# Altium PCB ssmaster.PcbDoc (part 1 of 3)
Units mil, origin at the board's own origin, x right, y up, seen from the top; angles counter-clockwise.
Board outline 3937.01 x 2755.91 mil, 4 copper layers (Top Layer, Ground Plane 1, Mid-Layer 1, Bottom Layer); 130 components, 268 nets, 1033 pads, 451 vias.
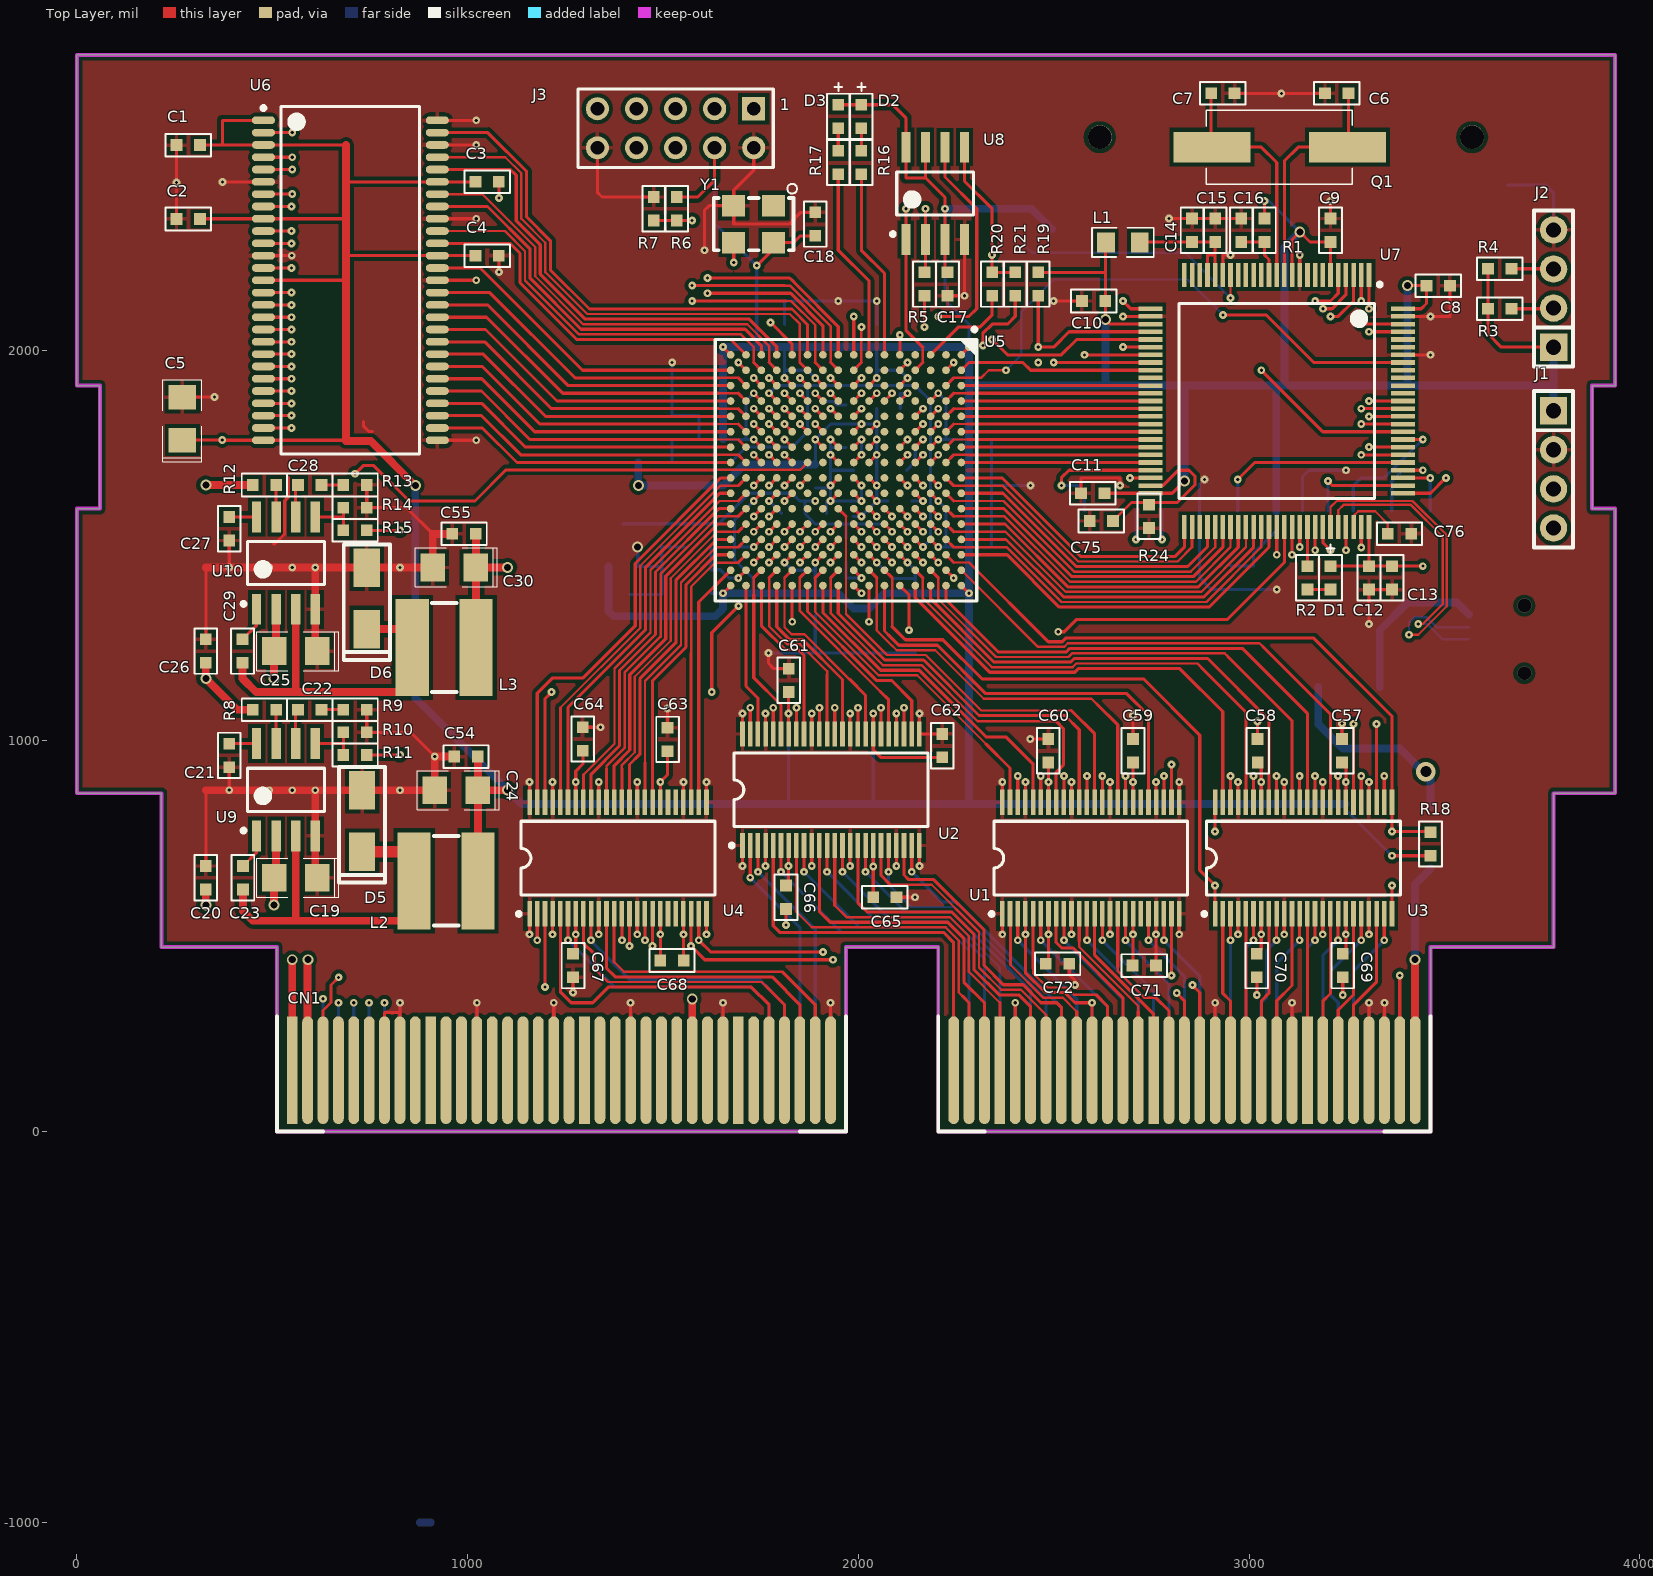
[diagram p0: Top Layer view]
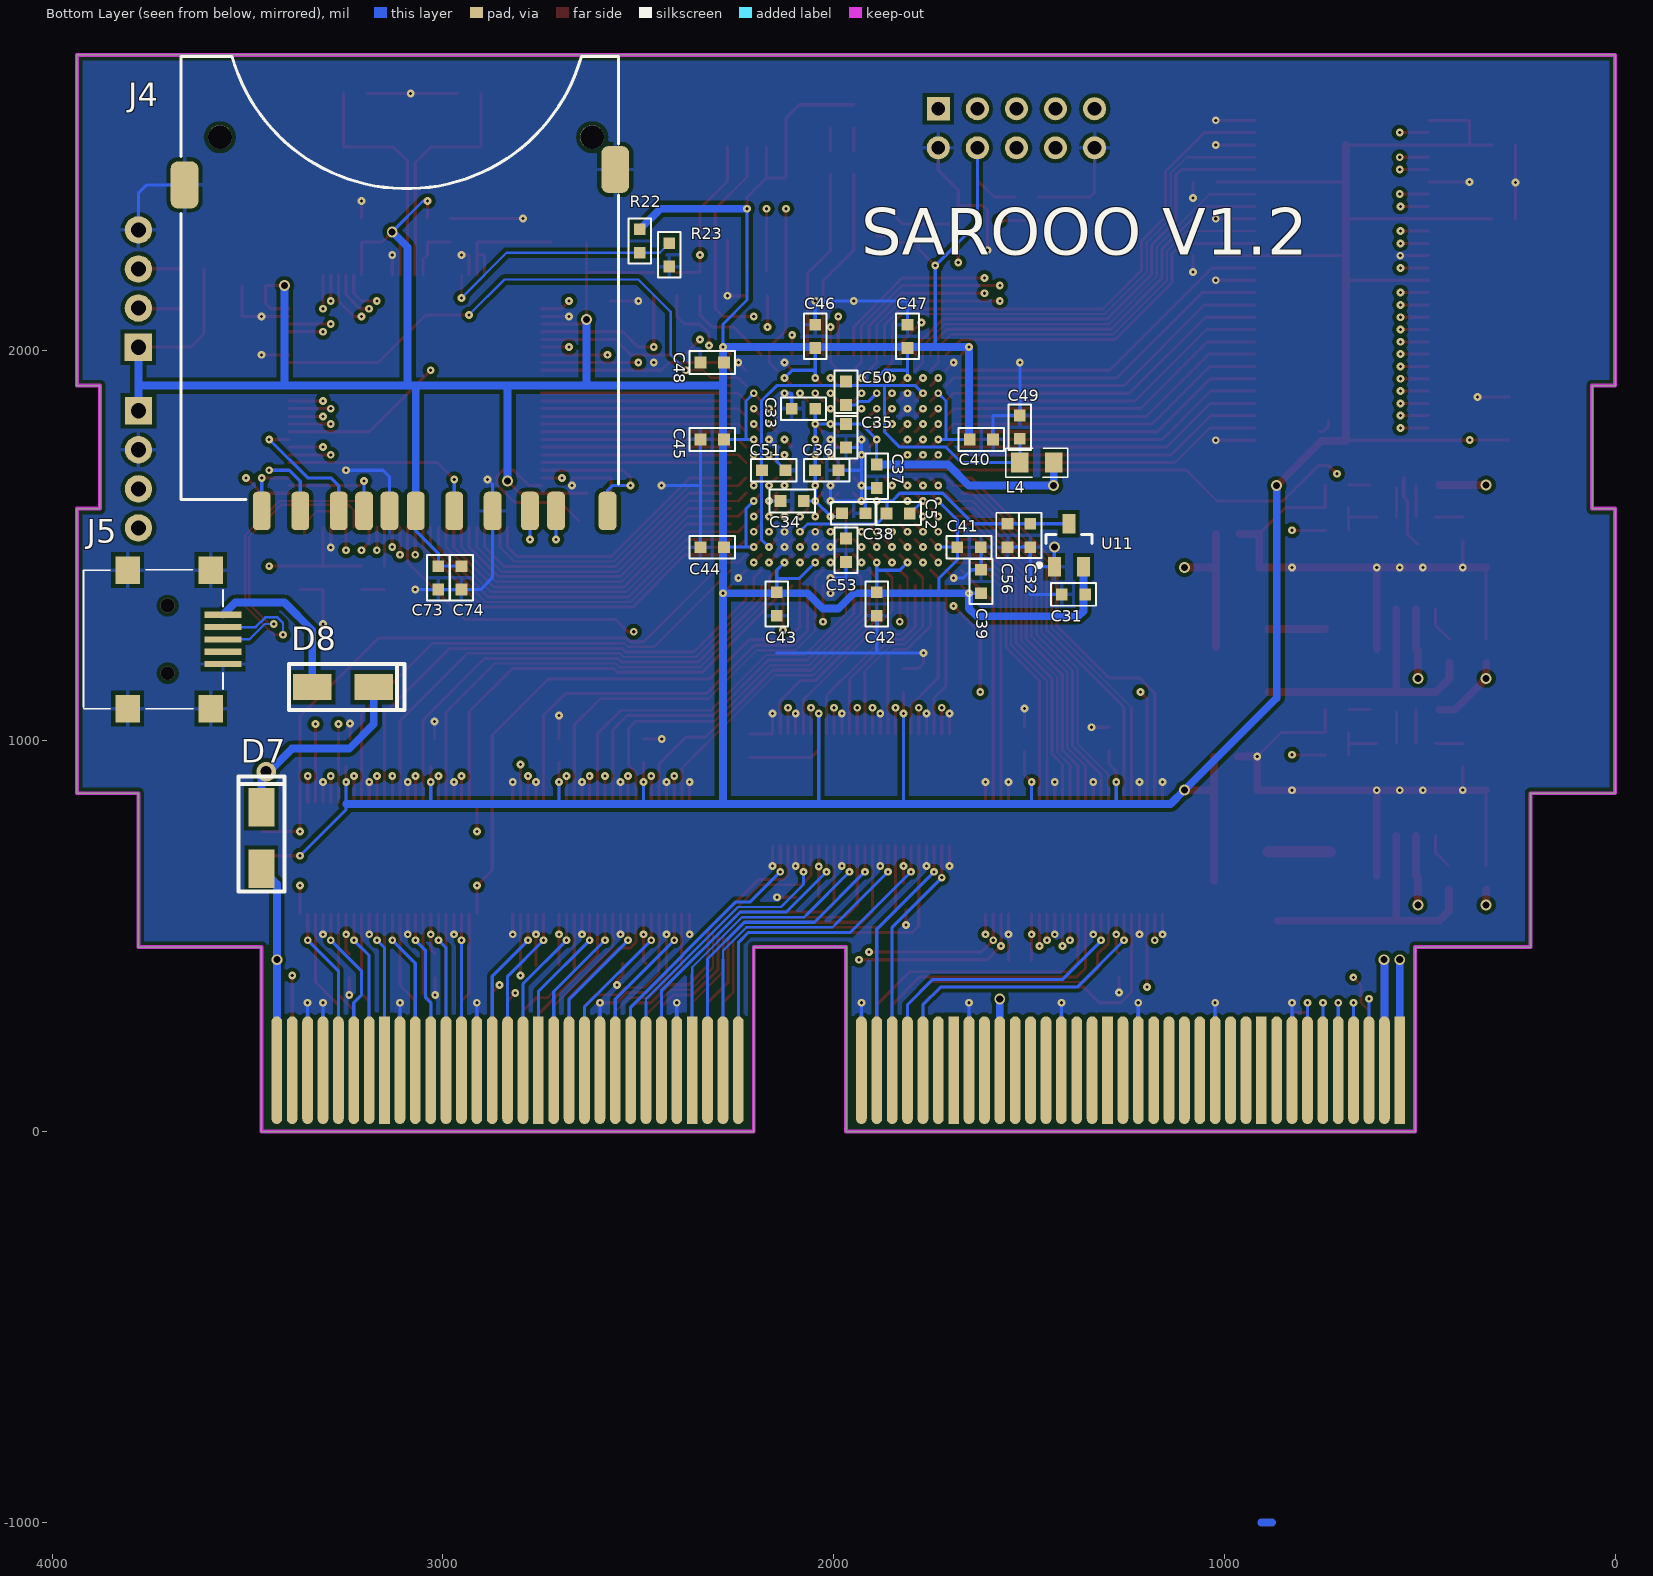
[diagram p1: Bottom Layer view, seen from below]
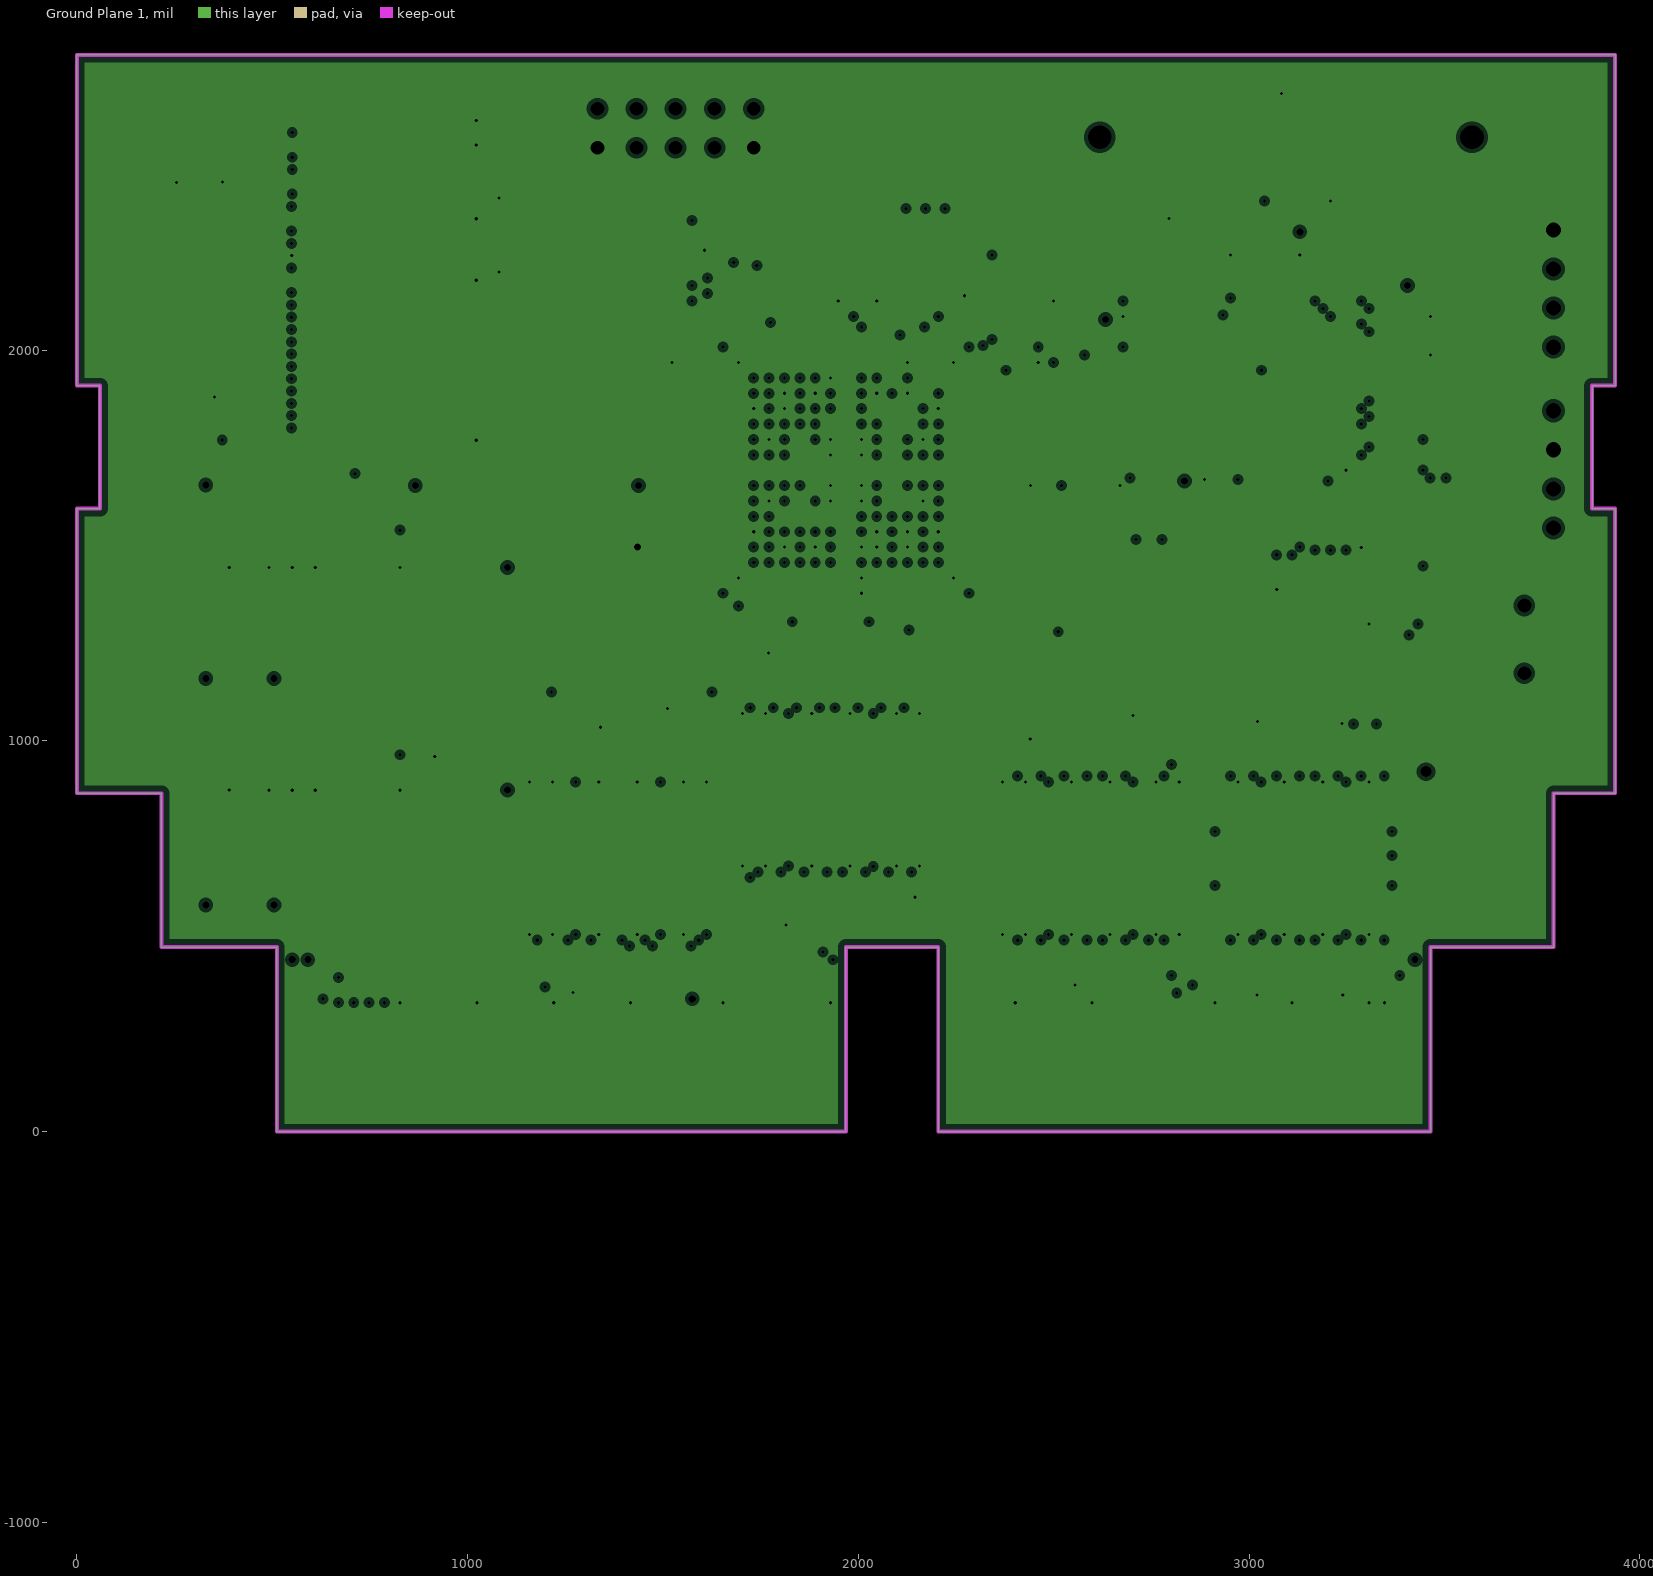
[diagram p2: Ground Plane 1, clearances drawn from the general rule]
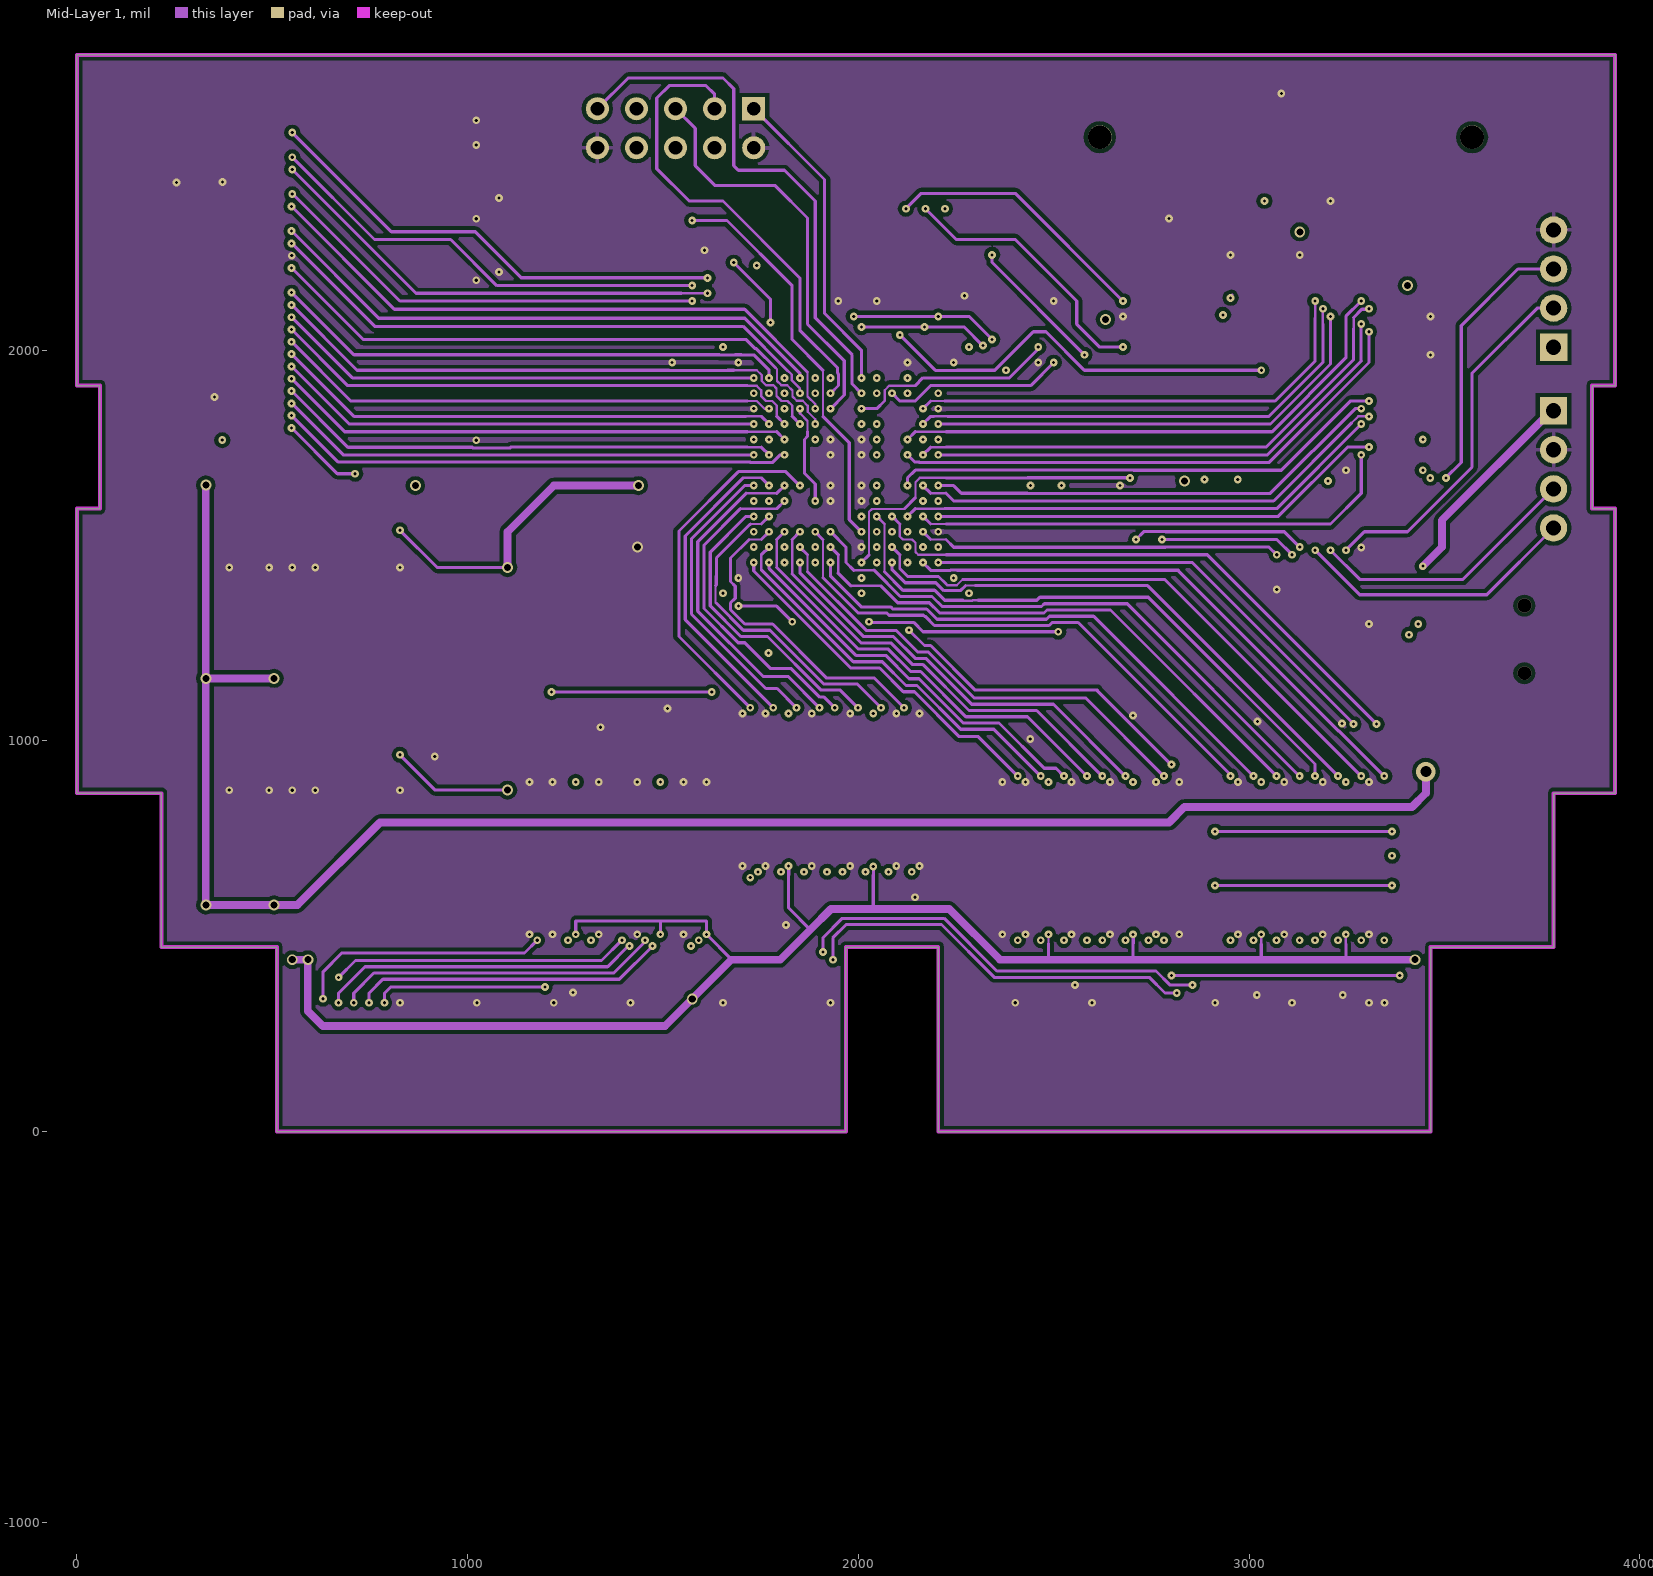
[diagram p3: Mid-Layer 1]

## Layer stack, top to bottom
Top Solder: solder mask 0.4, Solder Resist, Dk 3.5
Top Layer: signal copper 1.4
Dielectric1: core 12.6, FR-4, Dk 4.8
Ground Plane 1: plane copper 1.4, net GND
Dielectric3: prepreg 12.6, FR-4, Dk 4.8
Mid-Layer 1: signal copper 1.4
Dielectric2: core 12.6, FR-4, Dk 4.8
Bottom Layer: signal copper 1.4
Bottom Solder: solder mask 0.4, Solder Resist, Dk 3.5

## Board outline
0,866.14 216.54,866.14 216.54,472.44 511.81,472.44 511.81,0 1968.5,0 1968.5,472.44 2204.72,472.44 2204.72,0 3464.57,0 3464.57,472.44 3779.53,472.44 3779.53,866.14 3937.01,866.14 3937.01,1594.49 3877.95,1594.49 3877.95,1909.45 3937.01,1909.45 3937.01,2755.91 0,2755.91 0,1909.45 59.06,1909.45 59.06,1594.49 0,1594.49 0,866.14

## Design rules (kind name [scope] priority, off if disabled: settings)
AssemblyTestPointUsage [All] p1: valid=2
Clearance Clearance_6 [InNamedPolygon('mgnd')] p1: gap=10
Clearance Clearance_5 [InNamedPolygon('bgnd')] p2: gap=10
Clearance Clearance_4 [InNamedPolygon('tgnd')] p3: gap=10
Clearance [OnLayer('Top Layer')] p4: gap=4
Clearance Clearance_2 [OnLayer('Ground Plane 1')] p5: gap=6
Clearance Clearance_3 [OnLayer('Mid-Layer 1')] p6: gap=6
Clearance Clearance_1 [OnLayer('Bottom Layer')] p7: gap=4
ComponentClearance [All] p1: gap=0 collisioncheckmode=3 verticalgap=0 showdistances=FALSE
FabricationTestPointUsage [All] p1: valid=2 allowmultiple=FALSE
MinimumSolderMaskSliver [All] p1: minsoldermaskwidth=1
PlaneClearance [All] p1: clearance=10
PlaneConnect [All] p1: planeconnectstyle=Direct reliefexpansion=20 reliefentries=4 reliefconductorwidth=10 reliefairgap=10
PolygonConnect PolygonConnect_via [IsVia] p1: connectstyle=Direct reliefconductorwidth=10 reliefentries=4 polygonreliefangle="90 Angle" airgapwidth=10
PolygonConnect [All] p2: connectstyle=Relief reliefconductorwidth=10 reliefentries=4 polygonreliefangle="90 Angle" airgapwidth=10
RoutingVias [All] p1: holewidth=8 width=20 viastyle="Through Hole" minholewidth=8 minwidth=20 maxholewidth=250 maxwidth=500
SilkToSilkClearance [All] p1: silktosilkclearance=0
SilkToSolderMaskClearance SilkscreenOverComponentPads [IsPad] p1: minsilkscreentomaskgap=0 clearancetoexposedcopper=TRUE
SolderMaskExpansion SolderMaskExpansion_1 [(IsVia)] p1: expansion=0
SolderMaskExpansion [All] p2: expansion=4
Width [All] p1: maxlimit=50 minlimit=4 preferedwidth=8 midlayer1_minwidth=6 minimp=50.000000 maximp=50.000000 favimp=50.000000
22 further rules are at their usual default settings.

## Classes and differential pairs
component class Saturn_Cartage: C57 C58 C59 C60 C61 C62 C63 C64 C65 C66 C67 C68 C69 C70 C71 C72 CN1 R18 U1 U2 U3 U4
component class STM32: C6 C7 C8 C9 C10 C11 C12 C13 C14 C15 C16 C73 C74 C75 C76 D1 J1 J2 J4 J5 L1 Q1 R1 R2 R3 R4 R22 R23 R24 U7
component class SDRAM: C1 C2 C3 C4 C5 U6
component class FPGA_parts: C17 C18 C33 C34 C35 C36 C37 C38 C39 C40 C41 C42 C43 C44 C45 C46 C47 C48 C49 C50 C51 C52 C53 D2 D3 J3 L4 R5 R6 R7 R16 R17 R19 R20 R21 U5 U8 Y1
component class Power: C19 C20 C21 C22 C23 C24 C25 C26 C27 C28 C29 C30 C31 C32 C54 C55 C56 D5 D6 D7 D8 L2 L3 R8 R9 R10 R11 R12 R13 R14 R15 U9 U10 U11

## Components (designator, comment, footprint, x,y, rotation, side; value= is the part's Value field where it differs from the comment)
C1 "100nF" C0603 285,2525 r180 top
C2 "100nF" C0603 285,2336 r180 top
C3 "100nF" C0603 1050,2431 r0 top
C4 "100nF" C0603 1050,2242 r0 top
C5 "10uF" C1206 270,1825 r90 top
C6 "22pF" C0603 3224.41,2657.48 r0 top
C7 "22pF" C0603 2933.07,2657.48 r180 top
C8 "100nF" C0603 3484.25,2165.35 r0 top
C9 "100nF" C0603 3208.66,2307.09 r90 top
C10 "100nF" C0603 2602.36,2125.98 r180 top
C11 "100nF" C0603 2600,1634 r180 top
C12 "100nF" C0603 3307.09,1417.32 r270 top
C13 "4.7uF" C0603 3366.14,1417.32 r270 top
C14 "10nF" C0603 2854.33,2307.09 r90 top
C15 "1uF" C0603 2913.39,2307.09 r90 top
C16 "100nF" C0603 2980.32,2307.09 r270 top
C17 "100pF" C0603 2228.35,2169.29 r270 top
C18 "100nF" C0603 1889.76,2322.83 r90 top
C19 "10uF" C1206 560,650 r180 top
C20 "100nF" C0603 330,650 r90 top
C21 "100nF" C0603 390,963 r270 top
C22 "3.3nF" C0603 596,1080 r0 top
C23 "10nF" C0603 425,650 r270 top
C24 "22uF" C1206 971,874 r180 top
C25 "10uF" C1206 560,1230 r180 top
C26 "100nF" C0603 330,1230 r90 top
C27 "100nF" C0603 390,1543 r270 top
C28 "4.7nF" C0603 596,1655 r0 top
C29 "10nF" C0603 424,1230 r270 top
C30 "22uF" C1206 966,1444 r180 top
C31 "4.7uF" C0603 1386.19,1375 r0 bottom
C32 "4.7uF" C0603 1497,1526 r270 bottom
C33 "100nF" C0603 2077.24,1850.39 r0 bottom
C34 "100nF" C0603 2106.3,1614.17 r0 bottom
C35 "100nF" C0603 1968.5,1781.1 r270 bottom
C36 "100nF" C0603 2017.91,1692.91 r180 bottom
C37 "10nF" C0603 1890,1677.44 r270 bottom
C38 "4.7uF" C0603 1948.82,1582.68 r180 bottom
C39 "4.7uF" C0603 1623,1408 r90 bottom
C40 "100nF" C0603 1622.05,1771.65 r180 bottom
C41 "100nF" C0603 1653.54,1496.06 r180 bottom
C42 "100nF" C0603 1889.76,1350.39 r270 bottom
C43 "100nF" C0603 2145.67,1350.39 r270 bottom
C44 "100nF" C0603 2311.02,1496.06 r0 bottom
C45 "100nF" C0603 2311.02,1771.65 r0 bottom
C46 "100nF" C0603 2047.24,2035.43 r90 bottom
C47 "100nF" C0603 1811.02,2035.43 r90 bottom
C48 "4.7uF" C0603 2311.02,1968.5 r0 bottom
C49 "4.7uF" C0603 1523.62,1803.15 r90 bottom
C50 "100nF" C0603 1968.5,1889.76 r270 bottom
C51 "100nF" C0603 2153.54,1692.91 r180 bottom
C52 "100nF" C0603 1835,1582 r180 bottom
C53 "100nF" C0603 1968.5,1488.19 r270 bottom
C54 "100nF" C0603 996,960 r180 top
C55 "100nF" C0603 991,1530 r180 top
C56 "100nF" C0603 1555,1526 r270 bottom
C57 "100nF" C0603 3238,975 r90 top
C58 "100nF" C0603 3022,975 r90 top
C59 "100nF" C0603 2703,975 r90 top
C60 "100nF" C0603 2486,975 r90 top
C61 "100nF" C0603 1822,1155 r90 top
C62 "100nF" C0603 2215,988 r90 top
C63 "100nF" C0603 1511.81,1003.94 r90 top
C64 "100nF" C0603 1295,1005 r90 top
C65 "100nF" C0603 2068,600 r0 top
C66 "100nF" C0603 1815,600 r270 top
C67 "100nF" C0603 1270,425 r270 top
C68 "100nF" C0603 1523,438 r0 top
C69 "100nF" C0603 3240,425 r270 top
C70 "100nF" C0603 3020,425 r270 top
C71 "100nF" C0603 2732,425 r0 top
C72 "100nF" C0603 2510,430 r0 top
C73 "4.7uF" C0603 3011.81,1417.32 r270 bottom
C74 "100nF" C0603 2952.76,1417.32 r270 bottom
C75 "100nF" C0603 2622.05,1562.99 r0 top
C76 "100nF" C0603 3385.13,1530.61 r0 top
CN1 "SaturnCartage" SATURN_CART 551.18,157.48 r0 top locked
D1 "LED" D0603 3208.66,1417.32 r90 top
D2 "LED" D0603 2007.87,2598.43 r90 top
D3 "LED" D0603 1948.82,2598.43 r90 top
D5 "B340A" SMA 730,795 r90 top
D6 "B340A" SMA 742,1365 r90 top
D7 "B340A" SMA 3464.57,751.97 r270 bottom
D8 "B340A" SMA 3255.91,1137.8 r0 bottom
J1 "UART" SIP4 3779.46,1845.13 r270 top locked
J2 "JTAG" SIP4 3779.53,2007.87 r90 top locked
J3 "JTAG" HDR2X5 1732.28,2618.11 r180 top locked
J4 "SD CARD HEADER" KSDC012551 3110.24,2066.93 r0 bottom locked
J5 "0481900001" "Micro USB" 3685.04,1259.84 r180 bottom
L1 "BLM21PG300SN1" R0805 2677.17,2275.59 r0 top
L2 "10uH" CDRH5D28 945,642 r90 top
L3 "4.7uH" CDRH5D28 940,1239 r90 top
L4 "BLM21PG300SN1" R0805 1480.32,1712.6 r0 bottom
Q1 "8MHZ" SMD_CRYSTAL 3078.74,2519.68 r0 top
R1 "10K" R0603 3039.37,2307.09 r270 top
R2 "1K" R0603 3149.61,1417.32 r270 top
R3 "10K" R0603 3641.73,2106.3 r0 top
R4 "10K" R0603 3641.73,2208.66 r0 top
R5 "22" R0603 2169.29,2169.29 r270 top
R6 "0" R0603 1535.43,2362.2 r270 top
R7 "0" R0603 1476.38,2362.2 r90 top
R8 "100K" R0603 480,1080 r0 top
R9 "7.5K" R0603 712,1080 r180 top
R10 "10K" R0603 712,1022 r0 top
R11 "26.1K" R0603 712,964 r0 top
R12 "100K" R0603 480,1655 r0 top
R13 "4.99K" R0603 712,1655 r180 top
R14 "10K" R0603 712,1597 r0 top
R15 "3K" R0603 712,1539 r0 top
R16 "1K" R0603 2007.87,2480.32 r270 top
R17 "1K" R0603 1948.82,2480.32 r270 top
R18 "10K" R0603 3464.57,736.22 r90 top
R19 "10K" R0603 2460.63,2169.29 r270 top
R20 "0" R0603 2342.52,2169.29 r90 top
R21 "0" R0603 2401.57,2169.29 r270 top
R22 "1G" R0603 2496.06,2279.53 r270 bottom
R23 "0" R0603 2420.76,2244.09 r90 bottom
R24 "0" R0603 2744.09,1574.8 r90 top
U1 "SN74LVC164245A" DGG048 2595,700 r0 top locked
U2 "SN74LVC164245A" DGG048 1930,875 r0 top
U3 "SN74LVC164245A" DGG048 3139.5,700 r0 top locked
U4 "SN74LVC164245A" DGG048 1385,700 r0 top locked
U5 "EP4CE6F17C8" FBGA256 1968.5,1692.91 r270 top locked
U6 "K4S511632B-TC75" 54_TSOP2_400AF_N 700,2179 r0 top locked
U7 "STM32F103VCT6" TQFP-100 3070.87,1870.08 r270 top locked